# Altium PCB PW-Sat2_EPS_EM_Battery-Controller.PcbDoc
Units mm, origin at the board's own origin, x right, y up, seen from the top; angles counter-clockwise.
Board outline 52.07 x 40.64 mm, 2 copper layers (Top Layer, Bottom Layer), stack 1.571 mm thick; 87 components, 43 nets, 248 pads, 33 vias.
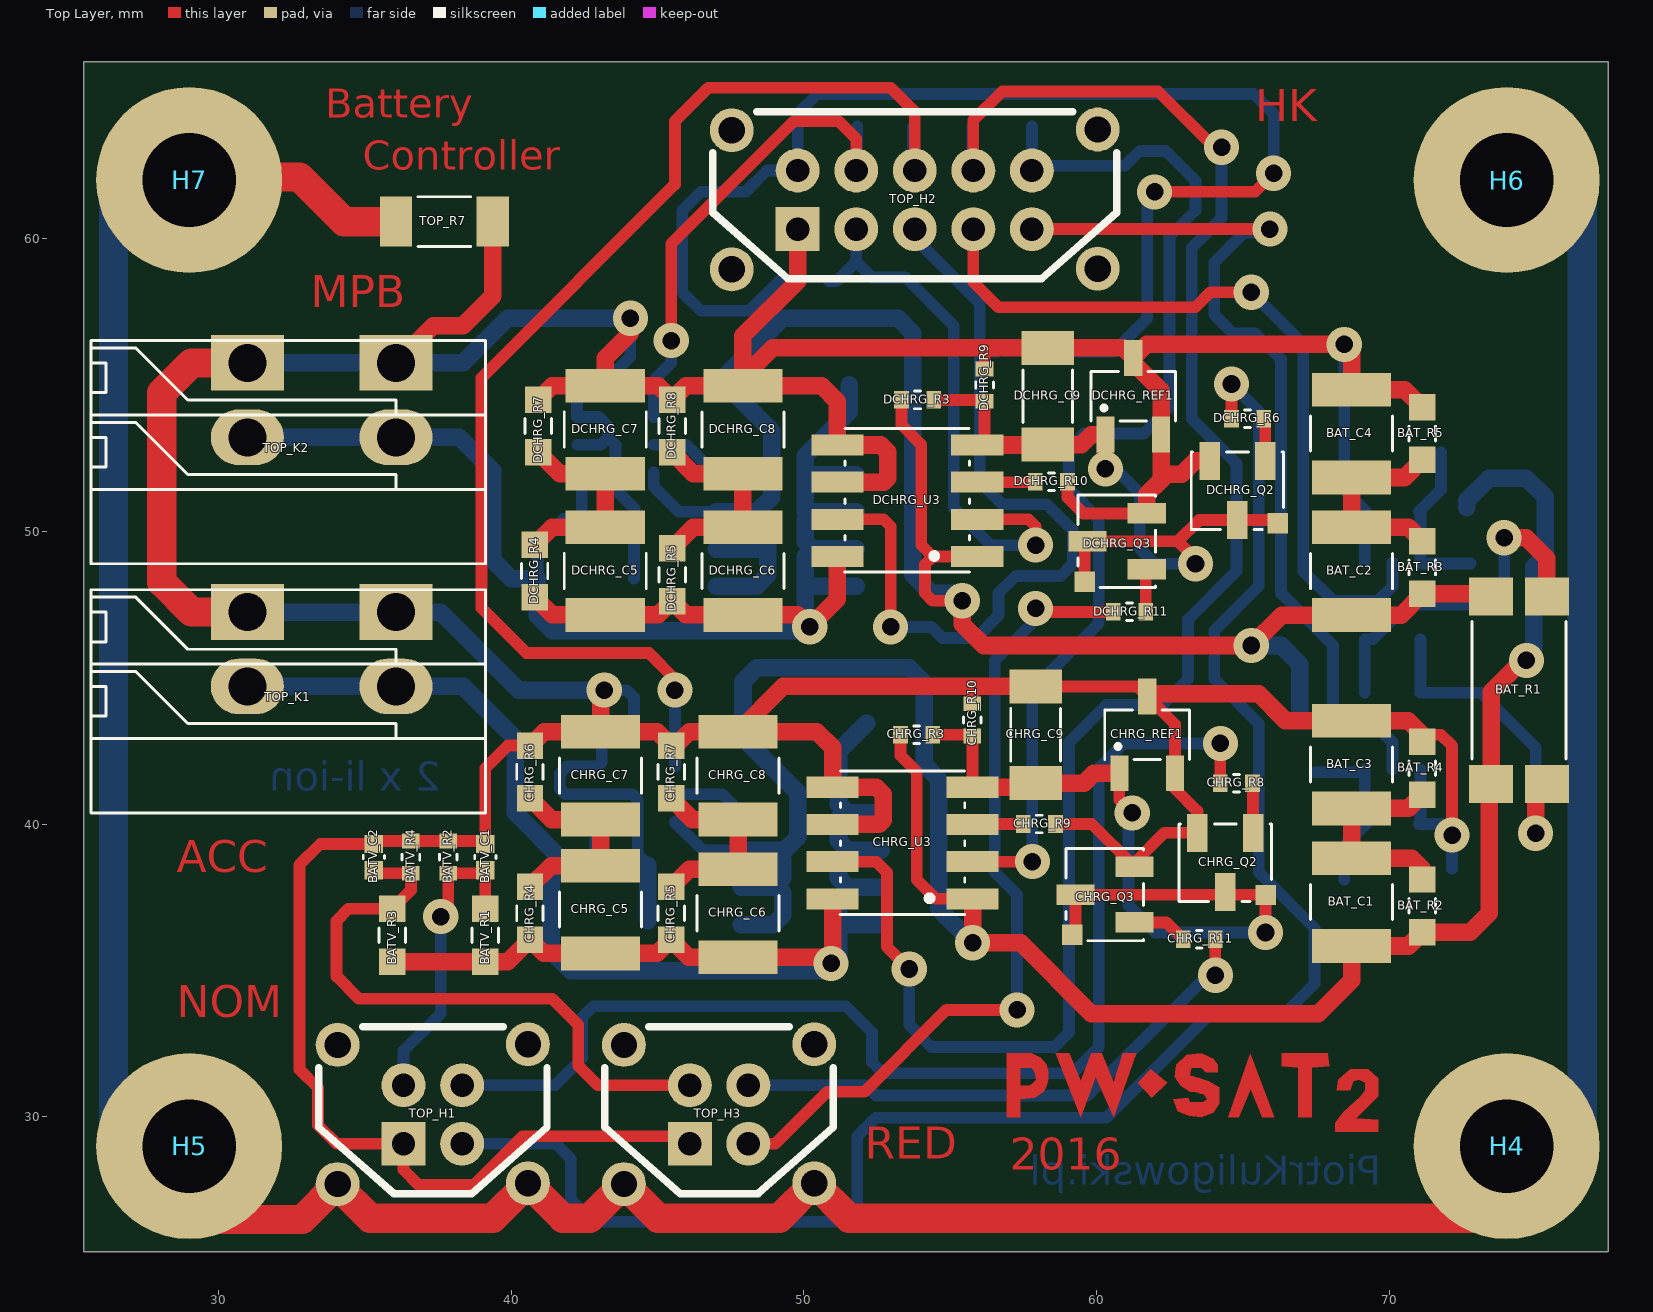
[diagram p0: Top Layer view]
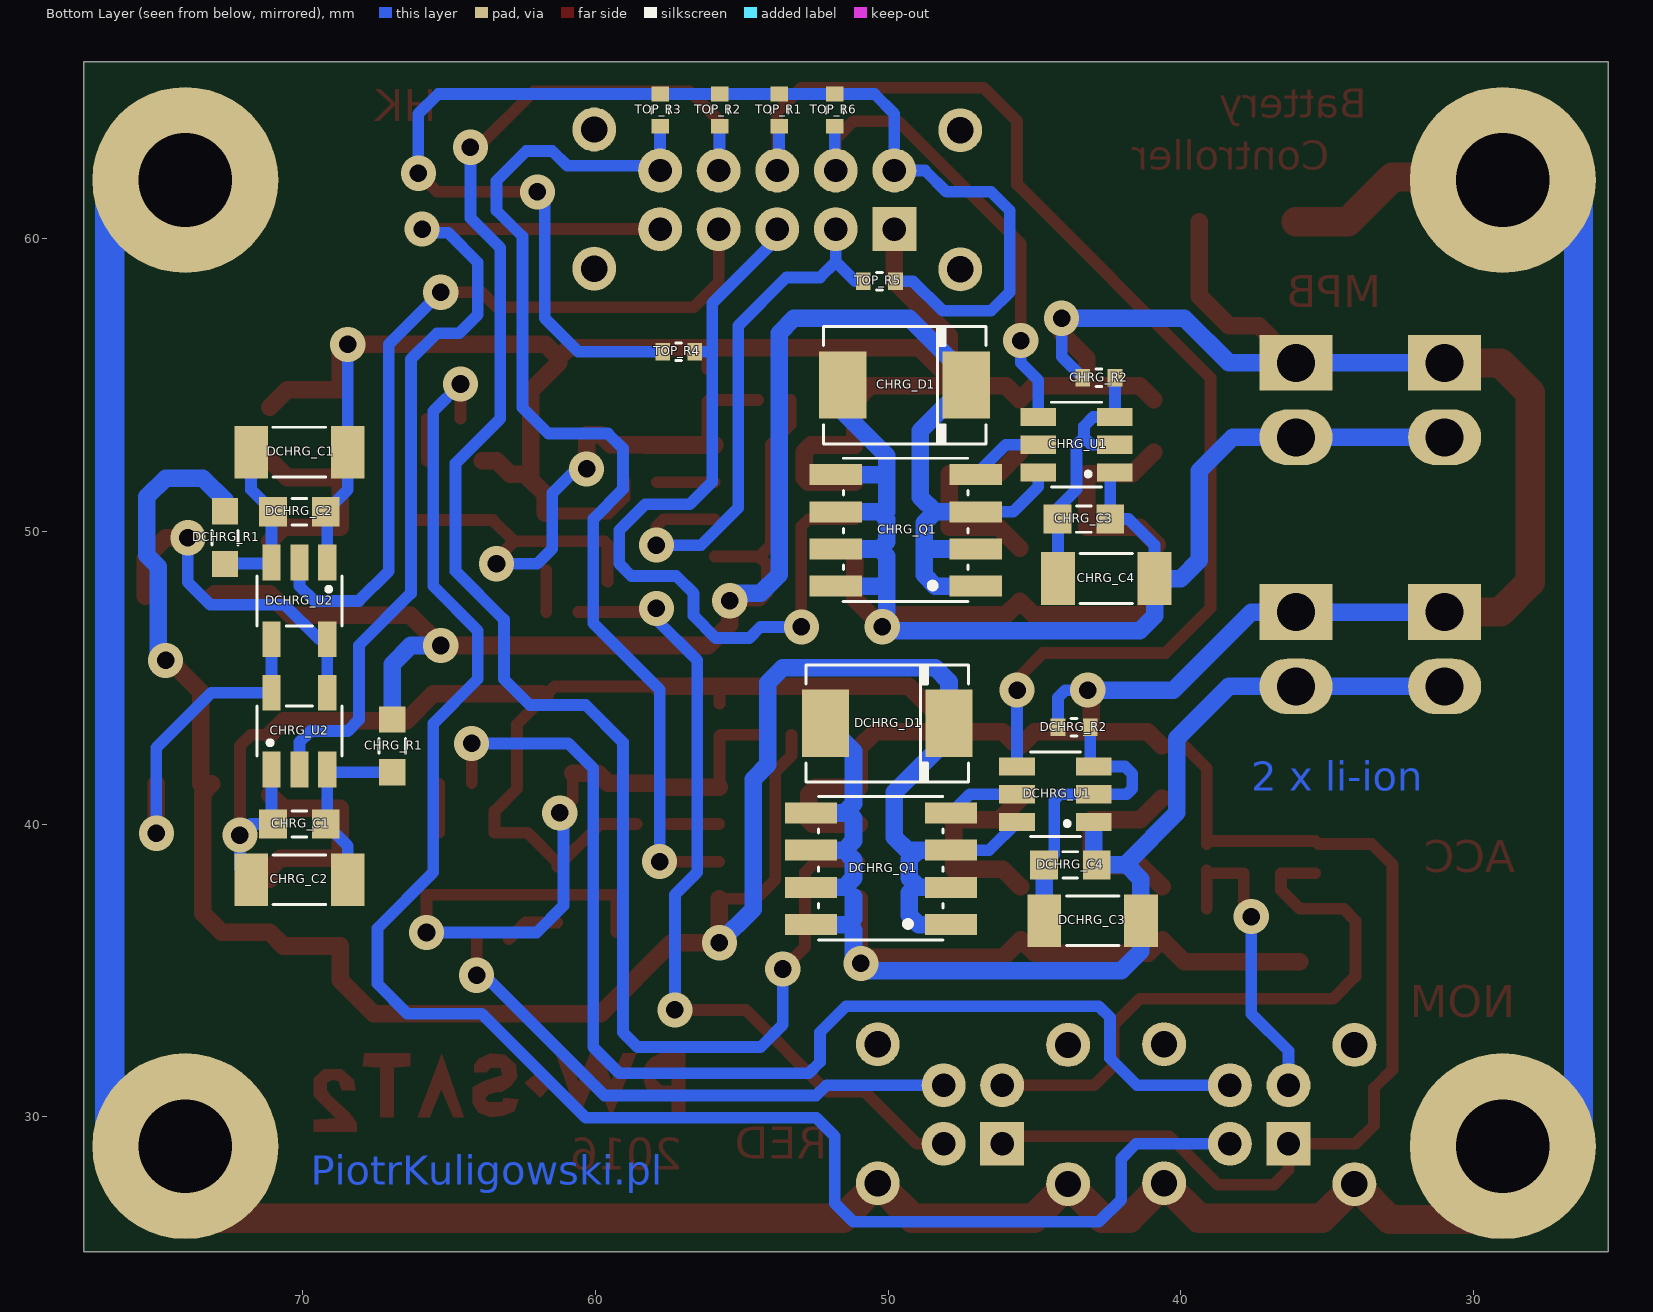
[diagram p1: Bottom Layer view, seen from below]
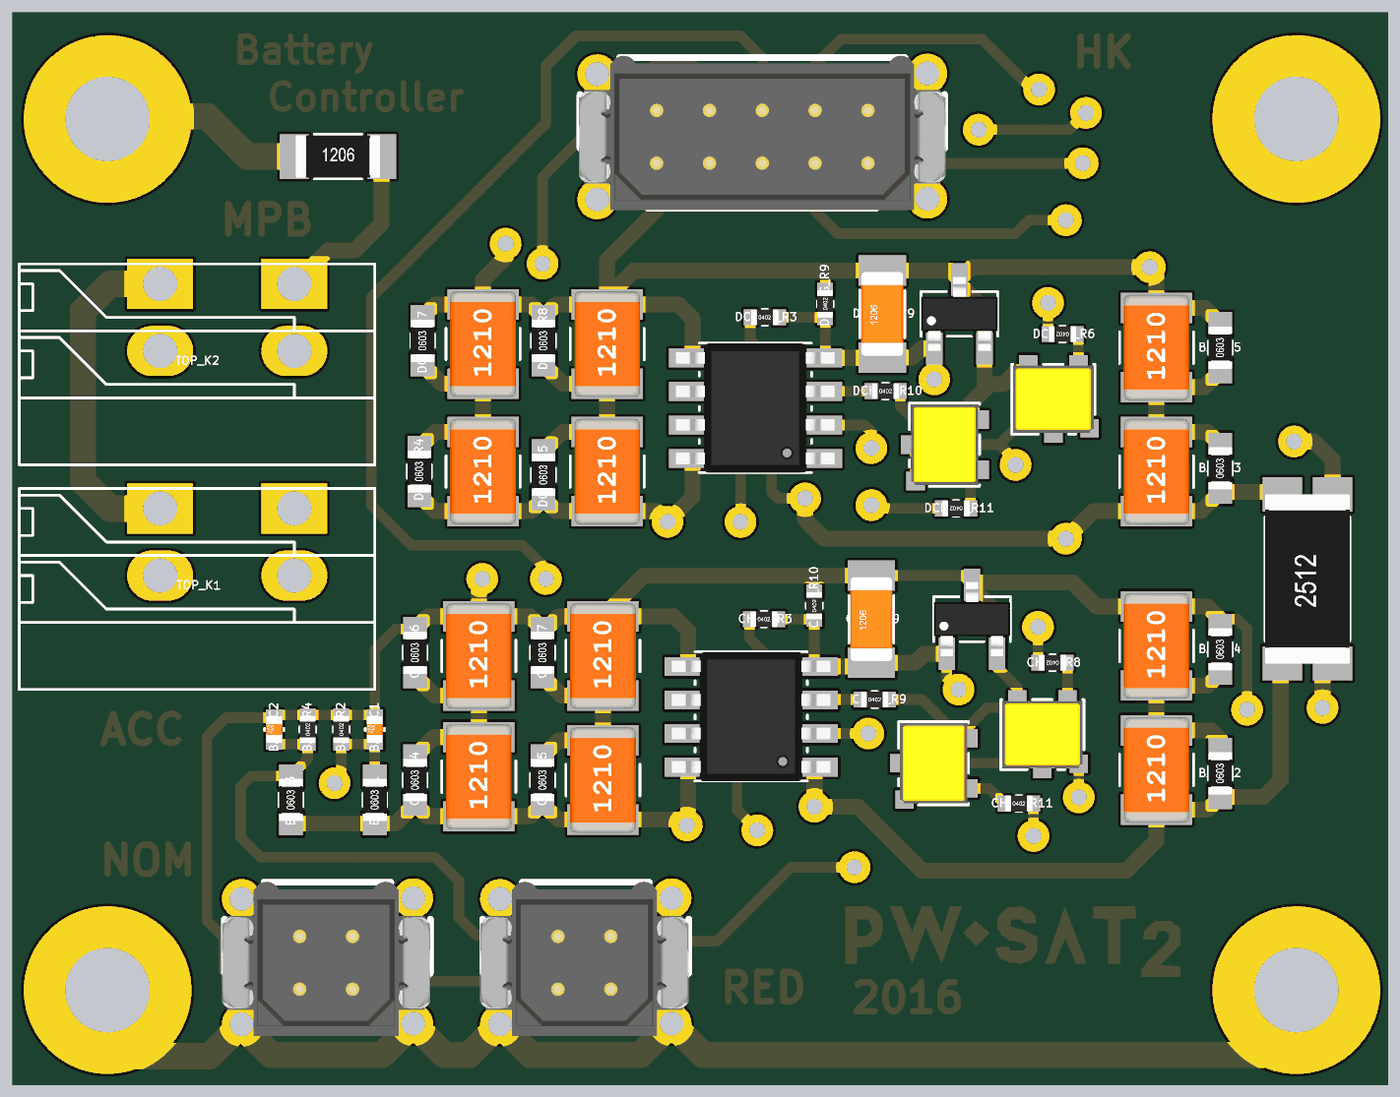
[diagram p2: 3D render of the assembled board from above, using the file's embedded part models]
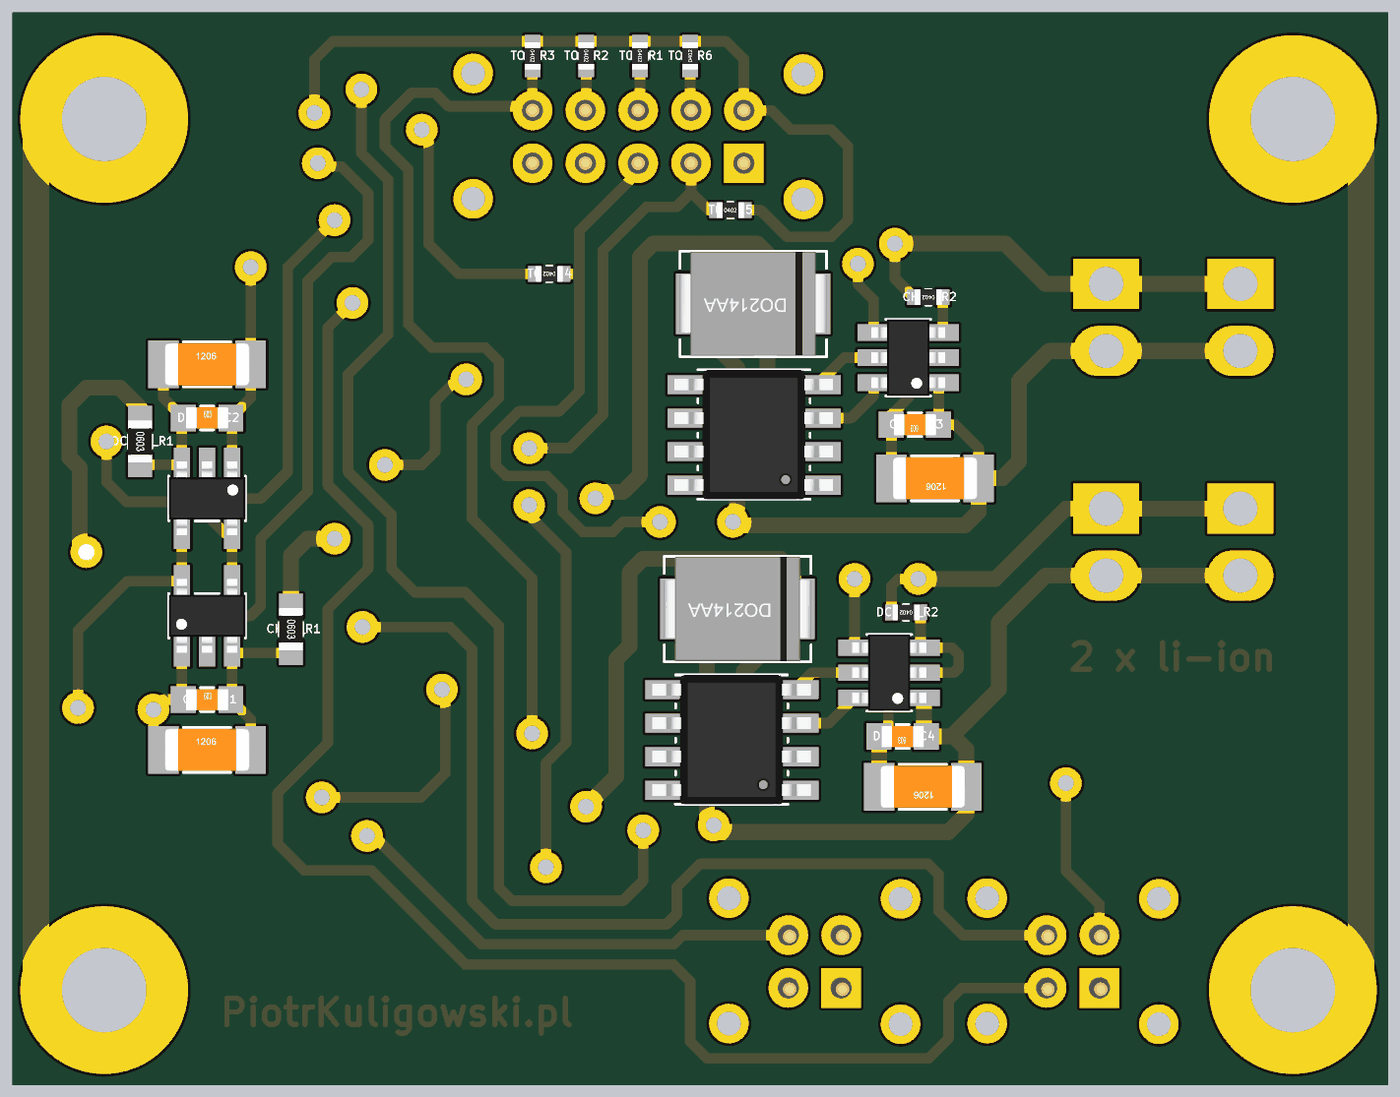
[diagram p3: 3D render of the assembled board from below, using the file's embedded part models]

## Layer stack, top to bottom
Top Layer: signal copper 0.0356
Dielectric 1: core 1.5, FR-4, Dk 4.2
Bottom Layer: signal copper 0.0356

## Board outline
25.4,25.4 25.4,66.04 77.47,66.04 77.47,25.4

## Design rules (kind name [scope] priority, off if disabled: settings)
Clearance [All] p1: gap=0.254
ComponentClearance [All] p1: gap=0.254 collisioncheckmode=3 verticalgap=-0.001 showdistances=FALSE
PolygonConnect [All] p1: connectstyle=Relief reliefconductorwidth=0.254 reliefentries=4 polygonreliefangle="90 Angle" airgapwidth=0.254
RoomDefinition "Battery Charger - Ideal Diode" [InComponentClass('Battery Charger - Ideal Diode')] p1: confinementstyle=ConfineIn formatcopy=TRUE lockcomponents=FALSE outline 54.483,46.101 40.006,46.101 40.006,57.404 54.483,57.404
RoomDefinition "Battery Discharger - Ideal Diode" [InComponentClass('Battery Discharger - Ideal Diode')] p2: confinementstyle=ConfineIn formatcopy=TRUE lockcomponents=FALSE outline 54.187,34.478 40.513,34.478 40.513,45.847 54.187,45.847
RoomDefinition "Battery Voltage Meas." [InComponentClass('Battery Voltage Meas.')] p3: confinementstyle=ConfineIn formatcopy=TRUE lockcomponents=FALSE outline 34.544,34.555 40.005,34.555 40.005,40.132 34.544,40.132
RoomDefinition "Battery Discharger - LCL" [InComponentClass('Battery Discharger - LCL')] p4: confinementstyle=ConfineIn formatcopy=TRUE lockcomponents=FALSE outline 40.037,45.979 66.675,45.979 66.675,57.282 40.037,57.282
RoomDefinition "Battery Current Meas." [InComponentClass('Battery Current Meas.')] p5: confinementstyle=ConfineIn formatcopy=TRUE lockcomponents=FALSE outline 66.294,34.544 76.327,34.544 76.327,57.277 66.294,57.277
RoomDefinition "Battery Charger - LCL" [InComponentClass('Battery Charger - LCL')] p6: confinementstyle=ConfineIn formatcopy=TRUE lockcomponents=FALSE outline 40.005,34.544 66.675,34.544 66.675,45.974 40.005,45.974
RoutingVias [All] p1: holewidth=0.6 width=1.2 viastyle="Through Hole" minholewidth=0.4 minwidth=1 maxholewidth=4 maxwidth=5
SolderMaskExpansion [All] p1: expansion=0.102
Width [All] p1: maxlimit=5 minlimit=0.254 preferedwidth=0.254
29 further rules are at their usual default settings.

## Classes and differential pairs
component class top_power: H4 H5 H6 H7 TOP_H1 TOP_H2 TOP_H3 TOP_K1 TOP_K2 TOP_R1 TOP_R2 TOP_R3 TOP_R4 TOP_R5 TOP_R6 TOP_R7
component class "Battery Voltage Meas.": BATV_C1 BATV_C2 BATV_R1 BATV_R2 BATV_R3 BATV_R4
component class "Battery Discharger - LCL": DCHRG_C5 DCHRG_C6 DCHRG_C7 DCHRG_C8 DCHRG_C9 DCHRG_Q2 DCHRG_Q3 DCHRG_R3 DCHRG_R4 DCHRG_R5 DCHRG_R6 DCHRG_R7 DCHRG_R8 DCHRG_R9 DCHRG_R10 DCHRG_R11 DCHRG_REF1 DCHRG_U3
component class "Battery Discharger - Ideal Diode": DCHRG_C3 DCHRG_C4 DCHRG_D1 DCHRG_Q1 DCHRG_R2 DCHRG_U1
component class "Battery Current Meas.": BAT_C1 BAT_C2 BAT_C3 BAT_C4 BAT_R1 BAT_R2 BAT_R3 BAT_R4 BAT_R5 CHRG_C1 CHRG_C2 CHRG_R1 CHRG_U2 DCHRG_C1 DCHRG_C2 DCHRG_R1 DCHRG_U2
component class "Battery Charger - LCL": CHRG_C5 CHRG_C6 CHRG_C7 CHRG_C8 CHRG_C9 CHRG_Q2 CHRG_Q3 CHRG_R3 CHRG_R4 CHRG_R5 CHRG_R6 CHRG_R7 CHRG_R8 CHRG_R9 CHRG_R10 CHRG_R11 CHRG_REF1 CHRG_U3
component class "Battery Charger - Ideal Diode": CHRG_C3 CHRG_C4 CHRG_D1 CHRG_Q1 CHRG_R2 CHRG_U1

## Components (designator, comment, footprint, x,y, rotation, side; value= is the part's Value field where it differs from the comment)
BAT_C1 "10u/25V" SMD_Capacitor_1210 68.707,37.338 r90 top
BAT_C2 "10u/25V" SMD_Capacitor_1210 68.707,48.641 r90 top
BAT_C3 "10u/25V" SMD_Capacitor_1210 68.707,42.037 r90 top
BAT_C4 "10u/25V" SMD_Capacitor_1210 68.707,53.34 r90 top
BAT_R1 "0.033R/1%" SMD_Resistor-shunt_2512 74.422,44.577 r90 top
BAT_R2 "470k/1%" SMD_Resistor_0603 71.12,37.211 r90 top
BAT_R3 "470k/1%" SMD_Resistor_0603 71.12,48.768 r90 top
BAT_R4 "470k/1%" SMD_Resistor_0603 71.12,41.91 r90 top
BAT_R5 "470k/1%" SMD_Resistor_0603 71.12,53.34 r90 top
BATV_C1 "10n/50V" SMD_Capacitor_0402 39.116,38.873 r90 top
BATV_C2 "10n/50V" SMD_Capacitor_0402 35.306,38.873 r90 top
BATV_R1 "470k/1%" SMD_Resistor_0603 39.116,36.206 r90 top
BATV_R2 "150k/1%" SMD_Resistor_0402 37.846,38.873 r90 top
BATV_R3 "470k/1%" SMD_Resistor_0603 35.941,36.206 r90 top
BATV_R4 "150k/1%" SMD_Resistor_0402 36.576,38.873 r90 top
CHRG_C1 "100n/50V" SMD_Capacitor_0603 70.104,40.005 r180 bottom
CHRG_C2 "1u/25V" SMD_Capacitor_1206 70.104,38.1 r180 bottom
CHRG_C3 "100n/50V" SMD_Capacitor_0603 43.308,50.419 r0 bottom
CHRG_C4 "1u/25V" SMD_Capacitor_1206 42.546,48.387 r0 bottom
CHRG_C5 "10u/25V" SMD_Capacitor_1210 43.053,37.084 r90 top
CHRG_C6 "10u/25V" SMD_Capacitor_1210 47.752,36.957 r90 top
CHRG_C7 "10u/25V" SMD_Capacitor_1210 43.053,41.656 r90 top
CHRG_C8 "10u/25V" SMD_Capacitor_1210 47.752,41.656 r90 top
CHRG_C9 "1u/25V" SMD_Capacitor_1206 57.912,43.053 r90 top
CHRG_D1 "STPS340U" DO-214AA 49.404,54.991 r0 bottom
CHRG_Q1 "IRF7416" SOIC-8-N_SSSGDDDD 49.404,50.038 r0 bottom
CHRG_Q2 "2N2222ACSM" LCC1-4_BEC 64.389,40.005 r180 top
CHRG_Q3 "2N2222ACSM" LCC1-4_BEC 61.595,37.592 r90 top
CHRG_R1 "220R/1%" SMD_Resistor_0603 66.929,42.672 r270 bottom
CHRG_R2 "1k/1%" SMD_Resistor_0402 42.799,55.245 r0 bottom
CHRG_R3 "15k/1%" SMD_Resistor_0402 53.848,43.053 r0 top
CHRG_R4 "470k/1%" SMD_Resistor_0603 40.64,36.957 r90 top
CHRG_R5 "470k/1%" SMD_Resistor_0603 45.466,36.957 r90 top
CHRG_R6 "470k/1%" SMD_Resistor_0603 40.64,41.783 r90 top
CHRG_R7 "470k/1%" SMD_Resistor_0603 45.466,41.783 r90 top
CHRG_R8 "22k/1%" SMD_Resistor_0402 64.77,41.402 r180 top
CHRG_R9 "150k/1%" SMD_Resistor_0402 58.039,40.005 r0 top
CHRG_R10 "22k/1%" SMD_Resistor_0402 55.753,43.561 r90 top
CHRG_R11 "22k/1%" SMD_Resistor_0402 63.5,36.068 r0 top
CHRG_REF1 "LM4040-5V 1%" SOT23-3 61.722,43.053 r90 top
CHRG_U1 "LTC4412" SOT23-6 43.562,52.959 r0 bottom
CHRG_U2 "MAX4372F" SOT23-5 70.104,43.18 r90 bottom
CHRG_U3 "FPF2700MX" SOIC-8-N 53.34,39.37 r180 top
DCHRG_C1 "1u/25V" SMD_Capacitor_1206 70.104,52.705 r180 bottom
DCHRG_C2 "100n/50V" SMD_Capacitor_0603 70.104,50.673 r180 bottom
DCHRG_C3 "1u/25V" SMD_Capacitor_1206 43.011,36.703 r0 bottom
DCHRG_C4 "100n/50V" SMD_Capacitor_0603 43.773,38.608 r0 bottom
DCHRG_C5 "10u/25V" SMD_Capacitor_1210 43.212,48.646 r90 top
DCHRG_C6 "10u/25V" SMD_Capacitor_1210 47.911,48.646 r90 top
DCHRG_C7 "10u/25V" SMD_Capacitor_1210 43.212,53.472 r90 top
DCHRG_C8 "10u/25V" SMD_Capacitor_1210 47.911,53.472 r90 top
DCHRG_C9 "1u/25V" SMD_Capacitor_1206 58.325,54.615 r90 top
DCHRG_D1 "STPS340U" DO-214AA 49.996,43.434 r0 bottom
DCHRG_Q1 "IRF7416" SOIC-8-N_SSSGDDDD 50.25,38.481 r0 bottom
DCHRG_Q2 "2N2222ACSM" LCC1-4_BEC 64.802,52.71 r180 top
DCHRG_Q3 "2N2222ACSM" LCC1-4_BEC 62.008,49.662 r90 top
DCHRG_R1 "220R/1%" SMD_Resistor_0603 72.644,49.784 r270 bottom
DCHRG_R2 "1k/1%" SMD_Resistor_0402 43.646,43.307 r0 bottom
DCHRG_R3 "15k/1%" SMD_Resistor_0402 53.88,54.488 r0 top
DCHRG_R4 "470k/1%" SMD_Resistor_0603 40.799,48.646 r90 top
DCHRG_R5 "470k/1%" SMD_Resistor_0603 45.498,48.519 r90 top
DCHRG_R6 "22k/1%" SMD_Resistor_0402 65.151,53.848 r180 top
DCHRG_R7 "470k/1%" SMD_Resistor_0603 40.926,53.599 r90 top
DCHRG_R8 "470k/1%" SMD_Resistor_0603 45.498,53.599 r90 top
DCHRG_R9 "22k/1%" SMD_Resistor_0402 56.166,54.996 r90 top
DCHRG_R10 "150k/1%" SMD_Resistor_0402 58.452,51.694 r0 top
DCHRG_R11 "22k/1%" SMD_Resistor_0402 61.119,47.249 r180 top
DCHRG_REF1 "LM4040-5V 1%" SOT23-3 61.246,54.615 r90 top
DCHRG_U1 "LTC4412" SOT23-6 44.281,41.021 r0 bottom
DCHRG_U2 "MAX4372F" SOT23-5 70.104,47.625 r270 bottom
DCHRG_U3 "FPF2700MX" SOIC-8-N 53.499,51.059 r180 top
H4 "Mounting Hole" PC-104_PcbMntHole_M3 74,29 r0 top
H5 "Mounting Hole" PC-104_PcbMntHole_M3 29,29 r0 top
H6 "Mounting Hole" PC-104_PcbMntHole_M3 74,62 r0 top
H7 "Mounting Hole" PC-104_PcbMntHole_M3 29,62 r0 top
TOP_H1 "CTRL N" Harwin_Datamate_L-Tek_M80-8670405 36.322,29.083 r0 top
TOP_H2 "STAT_N" Harwin_Datamate_L-Tek_M80-8671005 49.784,60.325 r0 top
TOP_H3 "CTRL_R" Harwin_Datamate_L-Tek_M80-8670405 46.101,29.083 r0 top
TOP_K1 "TB-2.5-PD-xx" TerminalBlock_Spring_2.54_2-R 36.068,47.244 r180 top
TOP_K2 "TB-2.5-PD-xx" TerminalBlock_Spring_2.54_2-R 36.068,55.753 r180 top
TOP_R1 "100k/1%" SMD_Resistor_0402 53.721,64.389 r270 bottom
TOP_R2 "100k/1%" SMD_Resistor_0402 55.753,64.389 r270 bottom
TOP_R3 "100k/1%" SMD_Resistor_0402 57.785,64.389 r270 bottom
TOP_R4 "100k/1%" SMD_Resistor_0402 57.15,56.134 r0 bottom
TOP_R5 "100k/1%" SMD_Resistor_0402 50.292,58.547 r180 bottom
TOP_R6 "100k/1%" SMD_Resistor_0402 51.816,64.389 r90 bottom
TOP_R7 "15R/1%" SMD_Resistor_1206 37.719,60.579 r0 top
